# KiCad board reform2-motherboard.kicad_pcb (continued)
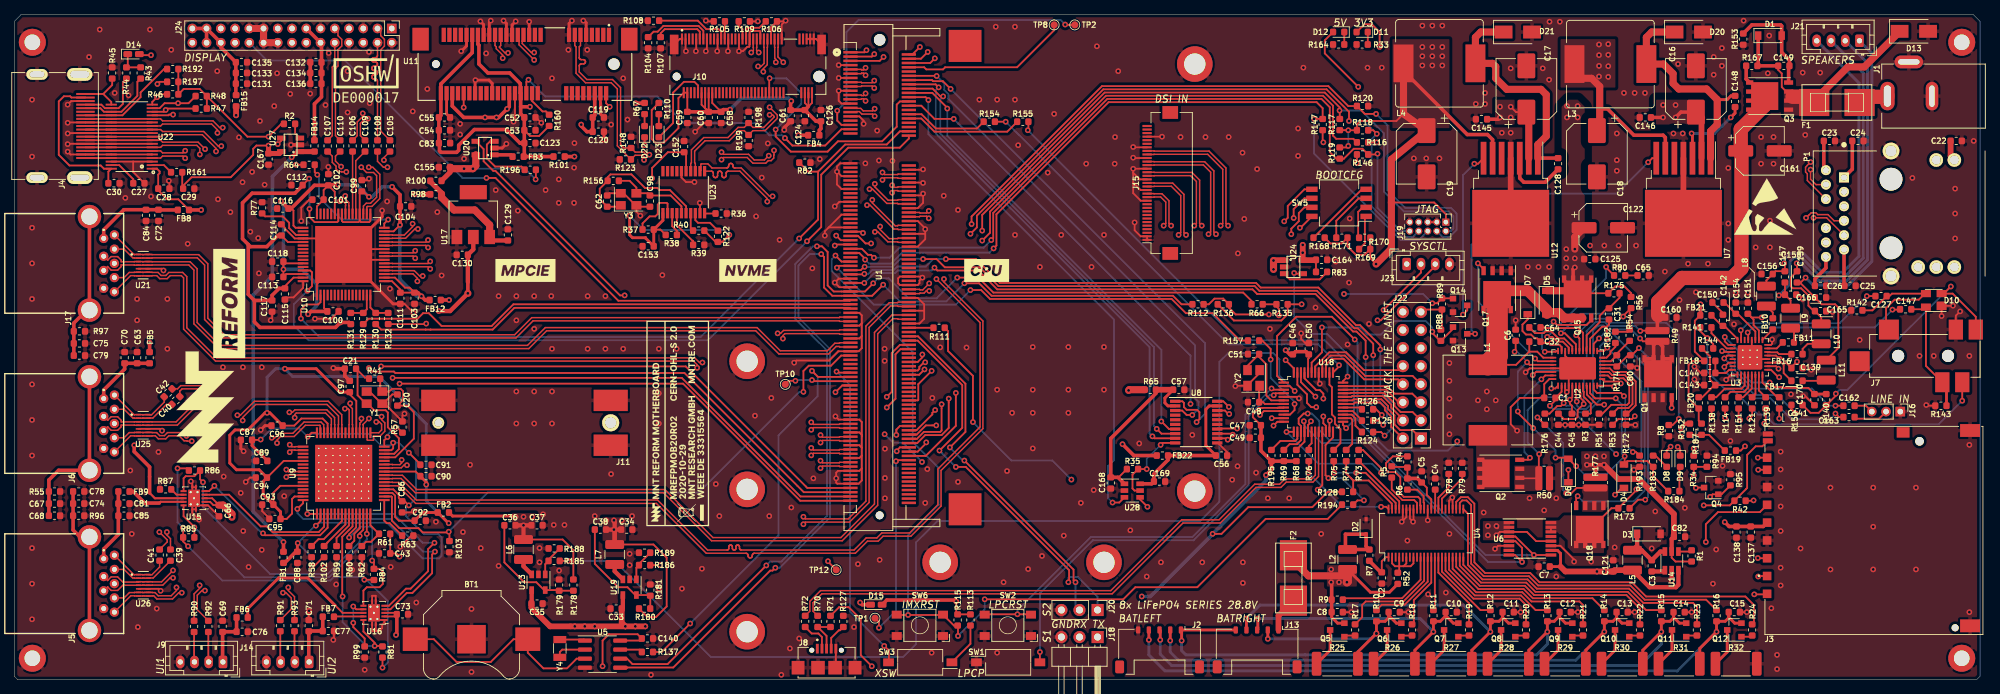
[diagram p0: board, top side]
## Routing (per net, layer and track width the routed paths; a pad name or vN(x,y) marks a point on that pad's centre or on a via; arc(x,y) is an arc through that point) (continued)
USB3_1_EN: length 23.1
  Top w0.25: v1(34.92,20.58) 35.2,20.3 42.94,20.3 44,21.36 U9.4 ; 27.01,26.5 U15.5 27.35,26.5 v1(28.1,27.25)
  Bottom w0.25: v1(34.92,20.58) 34.78,20.58 v1(28.1,27.25)
USB3_1_OVERCURn: length 41.8
  Top w0.25: v1(48.5,20.2) 48.5,20.57 49,21.07 U9.14 ; v1(26.5,27.75) 26.09,28.16 R86.1 25.29,28.6 24.07,28.6 23.77,28.31 U15.6
  Bottom w0.25: v1(26.5,27.75) 26.5,24.29 35.94,14.85 44,14.85 48.5,19.35 v1(48.5,20.2)
USB3_1_SSRXN: length 41.8
  Top w0.2: J6.5 16.34,34.28 16.85,34.28 16.87,34.25 U25.7 17.99,34.25 18.01,34.28 18.19,34.28 18.21,34.25 U25.8 19.33,34.25 19.35,34.28 19.8,34.28 20.23,33.85 21.27,33.85 21.7,34.28 23.14,34.28 23.84,33.57 24.24,33.57 24.28,33.53 v1(24.92,33.53) ; v1(46.42,38.09) 46.85,38.09 47.03,37.91 47.03,35.85 47,35.83 U9.39
  Signal.Cu w0.2: v1(46.42,38.09) 46.42,38.51 45.76,39.17 30.14,39.17 28.42,37.45 28.38,37.4 28.36,37.35 28.34,37.3 28.34,37.24 28.36,37.19 28.38,37.13 28.45,37.05 28.48,36.99 28.49,36.94 28.49,36.88 28.48,36.83 28.45,36.78 28.42,36.73 28.35,36.67 28.31,36.63 28.25,36.61 28.2,36.59 28.14,36.59 28.09,36.61 28.04,36.63 27.95,36.7 27.9,36.73 27.84,36.74 27.78,36.74 27.73,36.73 27.68,36.7 27.63,36.67 24.92,33.95 v1(24.92,33.53)
USB3_1_SSRXP: length 41.2
  Top w0.2: U9.38 47.5,35.83 47.47,35.85 47.47,38.1 47.16,38.41 v1(47.16,38.83) ; J6.6 15.42,34 16.15,34.72 16.85,34.72 16.87,34.75 U25.6 17.99,34.75 18.01,34.72 18.19,34.72 18.21,34.75 U25.9 19.33,34.75 19.35,34.72 19.99,34.72 20.41,34.3 21.09,34.3 21.51,34.72 23.73,34.72 v1(24.18,34.27)
  Signal.Cu w0.2: v1(47.16,38.83) 46.74,38.83 45.95,39.62 29.96,39.62 27.16,36.83 27.12,36.8 27.09,36.78 27.05,36.77 27,36.77 26.96,36.78 26.92,36.8 26.86,36.85 26.82,36.87 26.78,36.88 26.73,36.88 26.69,36.87 26.66,36.85 26.62,36.83 26.47,36.67 26.44,36.64 26.42,36.6 26.41,36.56 26.41,36.51 26.42,36.47 26.44,36.44 26.49,36.37 26.51,36.33 26.52,36.29 26.52,36.25 26.51,36.21 26.49,36.17 26.47,36.13 24.6,34.27 v1(24.18,34.27)
USB3_1_SSTXN: length 34
  Top w0.2: C40.1 23.24,40.55 23.57,40.88 26.69,40.88 v1(26.99,40.58) ; U9.36 48.5,35.83 48.53,35.85 48.53,36.06 48.75,36.29 v1(48.75,36.7)
  Signal.Cu w0.2: v1(26.99,40.58) 27.29,40.88 39.67,40.88 39.74,40.87 39.81,40.85 39.86,40.81 39.91,40.76 39.95,40.71 39.97,40.64 39.97,40.58 39.97,40.43 39.98,40.36 40,40.3 40.04,40.24 40.09,40.19 40.14,40.15 40.21,40.13 40.28,40.13 40.34,40.13 40.41,40.15 40.46,40.19 40.51,40.24 40.55,40.3 40.57,40.36 40.58,40.43 40.58,40.58 40.58,40.64 40.6,40.71 40.64,40.76 40.69,40.81 40.74,40.85 40.81,40.87 40.88,40.88 40.94,40.87 41.01,40.85 41.06,40.81 41.11,40.76 41.15,40.71 41.17,40.64 41.17,40.58 41.17,40.43 41.18,40.36 41.2,40.3 41.24,40.24 41.29,40.19 41.34,40.15 41.41,40.13 41.47,40.13 41.54,40.13 41.61,40.15 41.66,40.19 41.71,40.24 41.75,40.3 41.77,40.36 41.78,40.43 41.78,40.58 41.78,40.64 41.8,40.71 41.84,40.76 41.89,40.81 41.94,40.85 42.01,40.87 42.08,40.88 46.81,40.88 49.05,38.63 49.05,37 v1(48.75,36.7)
USB3_1_SSTXP: length 34
  Top w0.2: C42.1 22.92,40.87 23.38,41.33 26.69,41.33 v1(26.99,41.62) ; v1(49.8,36.7) 48.97,35.88 48.97,35.85 49,35.83 U9.35
  Signal.Cu w0.2: v1(49.8,36.7) 49.5,37 49.5,38.82 46.99,41.33 38.08,41.33 38.02,41.33 37.96,41.35 37.91,41.39 37.86,41.43 37.83,41.48 37.81,41.54 37.8,41.67 37.78,41.72 37.74,41.78 37.7,41.82 37.65,41.85 37.59,41.87 37.53,41.88 37.48,41.88 37.42,41.87 37.36,41.85 37.31,41.82 37.26,41.78 37.23,41.72 37.21,41.67 37.2,41.54 37.18,41.48 37.14,41.43 37.1,41.39 37.05,41.35 36.99,41.33 36.92,41.33 27.29,41.33 v1(26.99,41.62)
USB3_1_VBUS: length 29.3
  Top w0.3: 19,26.25 19.75,25.5 U15.8
  Top w0.5: 19,26.25 19,29.9 16.85,32.05 v1(16.85,32.95) ; FB5.1 v1(19,47.38)
  Power.Cu w0.5: v1(16.85,32.95) 16.85,41.53 19,43.67 v1(19,47.38)
USB3_2_DN: length 63
  Top w0.2: J5.2 13.11,13.95 13.11,13.96 13.6,14.45 14.52,14.45 15.24,13.72 17.41,13.72 U26.3 18.01,13.78 18.04,13.75 18.21,13.75 18.24,13.78 U26.12 19.35,13.78 19.38,13.75 20.68,13.75 v1(22.3,15.37) ; U9.42 45.5,35.83 45.53,35.85 45.53,37.06 43.91,38.67 33.89,38.67 32.07,36.85 v1(32.07,36.43)
  Signal.Cu w0.2: v1(22.3,15.37) 22,15.07 21.13,15.07 19.3,16.89 19.3,26.93 21.2,28.83 21.2,29.83 22.59,31.22 23.23,31.22 23.29,31.22 23.36,31.2 23.41,31.16 23.46,31.11 23.5,31.06 23.52,30.99 23.52,30.92 23.52,30.53 23.53,30.46 23.55,30.4 23.59,30.34 23.64,30.29 23.69,30.26 23.76,30.24 23.83,30.23 23.89,30.24 23.96,30.26 24.01,30.29 24.06,30.34 24.1,30.4 24.12,30.46 24.12,30.53 24.12,30.92 24.13,30.99 24.15,31.06 24.19,31.11 24.24,31.16 24.29,31.2 24.36,31.22 24.42,31.22 24.49,31.22 24.56,31.2 24.61,31.16 24.66,31.11 24.7,31.06 24.72,30.99 24.72,30.92 24.72,30.53 24.73,30.46 24.75,30.4 24.79,30.34 24.84,30.29 24.89,30.26 24.96,30.24 25.03,30.23 25.09,30.24 25.16,30.26 25.21,30.29 25.26,30.34 25.3,30.4 25.32,30.46 25.33,30.53 25.33,30.92 25.33,30.99 25.35,31.06 25.39,31.11 25.44,31.16 25.49,31.2 25.56,31.22 25.62,31.22 26.44,31.22 31.65,36.43 v1(32.07,36.43)
USB3_2_DP: length 63
  Top w0.2: v1(31.33,37.17) 31.75,37.17 33.71,39.12 44.09,39.12 45.97,37.24 45.97,35.85 46,35.83 U9.41 ; J5.3 13.11,13.05 13.11,13.04 13.6,12.55 14.52,12.55 15.24,13.28 U26.4 18.01,13.28 18.04,13.3 18.21,13.3 18.24,13.28 U26.11 19.35,13.28 19.38,13.3 20.87,13.3 21.88,14.32 v1(22.3,14.32)
  Signal.Cu w0.2: v1(22.3,14.32) 22,14.62 20.94,14.62 18.85,16.71 18.85,27.12 20.75,29.02 20.75,30.02 22.41,31.67 26.26,31.67 27.29,32.71 27.33,32.76 27.36,32.82 27.38,32.89 27.38,32.95 27.36,33.02 27.33,33.08 27.29,33.13 27.19,33.23 27.15,33.28 27.12,33.34 27.11,33.41 27.11,33.48 27.12,33.54 27.15,33.6 27.19,33.65 27.25,33.7 27.31,33.73 27.37,33.74 27.44,33.74 27.5,33.73 27.57,33.7 27.62,33.65 27.72,33.56 27.77,33.52 27.83,33.49 27.89,33.47 27.96,33.47 28.03,33.49 28.09,33.52 28.14,33.56 31.33,36.75 v1(31.33,37.17)
USB3_2_EN: length 21.1
  Top w0.25: U15.4 30.15,26 34.6,21.55 35.47,21.55 36.27,20.75 42.75,20.75 43.5,21.5 U9.3
USB3_2_OVERCURn: length 38
  Top w0.25: U9.15 v1(49.5,20.5) ; R85.1 v1(25.29,21.41) 25.29,21.46 23.77,22.97 U15.10
  Bottom w0.25: v1(49.5,20.5) 49.5,19.71 44.19,14.4 32.3,14.4 v1(25.29,21.41)
USB3_2_SSRXN: length 47.7
  Top w0.2: v1(36.9,33.25) 36.9,33.68 37.39,34.17 39.3,34.17 40.88,35.75 42.89,35.75 42.95,35.69 42.95,34.7 U9.47 ; v1(23.52,12.23) 23.1,12.23 22.22,11.35 20.03,11.35 19.58,11.8 19.38,11.8 19.35,11.78 U26.8 18.24,11.78 18.21,11.8 18.04,11.8 18.01,11.78 U26.7 16.9,11.78 16.87,11.8 16.36,11.8 J5.5
  Signal.Cu w0.2: v1(23.52,12.23) 23.52,12.65 26.28,15.42 26.34,15.46 26.4,15.49 26.46,15.5 26.53,15.5 26.6,15.49 26.66,15.46 26.71,15.42 26.73,15.39 26.78,15.35 26.85,15.32 26.91,15.31 26.98,15.31 27.04,15.32 27.1,15.35 27.16,15.39 27.2,15.44 27.23,15.5 27.24,15.57 27.24,15.64 27.23,15.7 27.2,15.76 27.16,15.82 27.13,15.84 27.09,15.89 27.06,15.95 27.05,16.02 27.05,16.09 27.06,16.15 27.09,16.21 27.13,16.26 27.19,16.31 27.25,16.34 27.31,16.35 27.38,16.35 27.44,16.34 27.5,16.31 27.56,16.26 27.58,16.24 27.63,16.2 27.69,16.17 27.76,16.15 27.83,16.15 27.89,16.17 27.95,16.2 28.01,16.24 28.05,16.29 28.08,16.35 28.09,16.42 28.09,16.49 28.08,16.55 28.05,16.61 28.01,16.66 27.98,16.69 27.94,16.74 27.91,16.8 27.9,16.87 27.9,16.93 27.91,17 27.94,17.06 27.98,17.11 28.72,17.86 28.72,25.51 36.47,33.25 v1(36.9,33.25)
USB3_2_SSRXP: length 47.1
  Top w0.2: v1(22.78,12.97) 22.78,12.55 22.03,11.8 20.21,11.8 19.76,12.25 19.38,12.25 19.35,12.28 U26.9 18.24,12.28 18.21,12.25 18.04,12.25 18.01,12.28 U26.6 16.9,12.28 16.87,12.25 16.17,12.25 15.42,11.5 J5.6 ; v1(36.15,34) 36.58,34 37.21,34.62 39.11,34.62 40.69,36.2 43.08,36.2 43.45,35.83 43.45,34.75 U9.46
  Signal.Cu w0.2: v1(22.78,12.97) 23.2,12.97 24.52,14.28 24.56,14.34 24.59,14.4 24.6,14.46 24.6,14.53 24.59,14.6 24.56,14.66 24.52,14.71 24.49,14.74 24.45,14.79 24.42,14.85 24.4,14.92 24.4,14.98 24.42,15.05 24.45,15.11 24.49,15.16 24.54,15.2 24.6,15.23 24.67,15.25 24.73,15.25 24.8,15.23 24.86,15.2 24.91,15.16 24.94,15.13 24.99,15.09 25.05,15.06 25.12,15.05 25.19,15.05 25.25,15.06 25.31,15.09 25.36,15.13 28.28,18.04 28.28,25.69 36.15,33.57 v1(36.15,34)
USB3_2_SSTXN: length 41
  Top w0.2: C39.1 21.94,19.83 21.42,20.34 v1(21.42,20.75) ; U9.44 44.5,35.83 44.53,35.85 44.53,36.66 43.71,37.47 39.59,37.47 39.37,37.25 v1(39.37,36.83)
  Signal.Cu w0.2: v1(21.42,20.75) 21.12,21.05 21.12,25.91 23.89,28.67 26.89,28.67 28.76,30.54 28.81,30.58 28.87,30.61 28.94,30.63 29,30.63 29.07,30.61 29.13,30.58 29.18,30.54 29.35,30.37 29.4,30.33 29.46,30.3 29.53,30.29 29.6,30.29 29.66,30.3 29.72,30.33 29.78,30.37 29.82,30.43 29.85,30.49 29.86,30.55 29.86,30.62 29.85,30.68 29.82,30.74 29.78,30.8 29.61,30.97 29.57,31.02 29.54,31.08 29.52,31.14 29.52,31.21 29.54,31.28 29.57,31.34 29.61,31.39 29.66,31.43 29.72,31.46 29.79,31.48 29.85,31.48 29.92,31.46 29.98,31.43 30.03,31.39 30.2,31.22 30.25,31.18 30.31,31.15 30.38,31.14 30.45,31.14 30.51,31.15 30.57,31.18 30.62,31.22 30.67,31.27 30.7,31.33 30.71,31.4 30.71,31.47 30.7,31.53 30.67,31.59 30.62,31.65 30.46,31.81 30.41,31.87 30.39,31.93 30.37,31.99 30.37,32.06 30.39,32.12 30.41,32.19 30.46,32.24 34.29,36.08 38.19,36.08 38.95,36.83 v1(39.37,36.83)
USB3_2_SSTXP: length 41.2
  Top w0.2: U9.43 45,35.83 44.97,35.85 44.97,36.84 43.89,37.92 39.41,37.92 39.05,37.57 v1(38.63,37.57) ; v1(20.38,20.75) 21.49,19.64 21.49,19.38 C41.1
  Signal.Cu w0.2: v1(38.63,37.57) 38.63,37.15 38.01,36.53 34.11,36.53 28.79,31.21 28.34,30.76 28.32,30.74 28.28,30.72 28.25,30.72 28.21,30.72 28.18,30.72 28.14,30.74 28.09,30.78 28.05,30.8 28.02,30.81 27.98,30.81 27.95,30.8 27.91,30.78 27.89,30.76 27.69,30.57 27.67,30.54 27.65,30.51 27.64,30.47 27.64,30.43 27.65,30.4 27.67,30.37 27.71,30.31 27.73,30.28 27.74,30.24 27.74,30.21 27.73,30.17 27.71,30.14 27.69,30.11 26.71,29.12 23.71,29.12 20.67,26.09 20.67,21.05 v1(20.38,20.75)
USB3_2_VBUS: length 8.3
  Top w0.3: 20.36,24.83 20.54,25 U15.9
  Top w0.5: FB9.1 16.7,26.45 18.32,24.83 20.36,24.83
USB3_3_DN: length 33.5
  Top w0.2: v1(38.67,31.97) 38.97,32.28 39.4,32.28 39.42,32.25 U9.50 ; v1(26.77,12.53) 26.35,12.53 25.7,11.88 25.7,9.84 R92.1
  Signal.Cu w0.2: v1(26.77,12.53) 26.77,12.95 33.92,20.11 33.92,28.01 36.46,30.54 36.51,30.58 36.57,30.61 36.64,30.63 36.71,30.63 36.77,30.61 36.83,30.58 36.88,30.54 36.92,30.5 36.98,30.46 37.04,30.43 37.1,30.42 37.17,30.42 37.24,30.43 37.3,30.46 37.35,30.5 37.39,30.56 37.42,30.62 37.43,30.68 37.43,30.75 37.42,30.81 37.39,30.87 37.35,30.93 37.31,30.97 37.27,31.02 37.24,31.08 37.22,31.15 37.22,31.21 37.24,31.28 37.27,31.34 37.31,31.39 38.19,32.28 38.37,32.28 v1(38.67,31.97)
USB3_3_DP: length 33.2
  Top w0.2: R90.1 25.25,12.07 26.03,12.85 v1(26.03,13.27) ; v1(38.67,33.03) 38.97,32.72 39.4,32.72 39.42,32.75 U9.49
  Signal.Cu w0.2: v1(26.03,13.27) 26.45,13.27 33.47,20.29 33.47,28.19 35.15,29.87 35.17,29.9 35.19,29.93 35.2,29.97 35.2,30.01 35.19,30.05 35.17,30.08 35.13,30.14 35.11,30.17 35.1,30.21 35.1,30.25 35.11,30.29 35.13,30.32 35.15,30.35 35.33,30.53 35.36,30.56 35.4,30.57 35.43,30.58 35.47,30.58 35.51,30.57 35.54,30.56 35.6,30.51 35.64,30.49 35.68,30.49 35.71,30.49 35.75,30.49 35.79,30.51 35.82,30.53 38.01,32.72 38.37,32.72 v1(38.67,33.03)
USB3_3_EN: length 33.4
  Top w0.25: v1(59,19.25) 58.1,18.35 58.1,15.25 55.65,12.8 55,12.8 52.6,10.4 U16.5 ; U9.1 v1(41.15,23.3)
  Bottom w0.25: v1(41.15,23.3) 53.3,23.3 57.35,19.25 v1(59,19.25)
USB3_3_OVERCURn: length 21.9
  Top w0.25: U9.12 48,21.41 47.02,20.43 v1(47.02,19.98) ; v1(50.25,16.75) 50.5,16.5 R84.1 51.31,15.59 51.75,15.15 51.75,13.46 51.29,13 49.5,13 49.03,12.53 U16.6
  Bottom w0.25: v1(47.02,19.98) 48.53,21.5 50.1,21.5 50.25,21.35 v1(50.25,16.75)
USB3_3_VBUS: length 21.3
  Top w0.25: U16.8 46.1,9.4 45.08,10.42
  Top w0.4: FB6.1 32.79,9.99 37.1,14.3 41.2,14.3 45.08,10.42
USB3_4_DN: length 26.7
  Top w0.2: v1(38.47,12.97) 38.47,12.55 39.35,11.67 R93.1 ; U9.57 39.42,28.75 39.4,28.78 38.5,28.78 v1(38.2,28.47)
  Signal.Cu w0.2: v1(38.2,28.47) 37.9,28.78 36.99,28.78 36.33,28.11 36.33,27.47 36.33,27.41 36.35,27.35 36.39,27.29 36.44,27.24 36.49,27.21 36.56,27.19 36.69,27.17 36.75,27.15 36.81,27.11 36.85,27.07 36.89,27.01 36.91,26.95 36.92,26.88 36.92,26.88 36.91,26.81 36.89,26.75 36.85,26.69 36.81,26.64 36.75,26.61 36.69,26.59 36.56,26.57 36.49,26.55 36.44,26.51 36.39,26.47 36.35,26.41 36.33,26.35 36.33,26.28 36.33,14.69 38.05,12.97 v1(38.47,12.97)
USB3_4_DP: length 27.4
  Top w0.2: v1(37.73,12.23) 38.15,12.23 38.9,11.48 38.9,9.94 R91.1 ; U9.56 39.42,29.25 39.4,29.22 38.5,29.22 v1(38.2,29.53)
  Signal.Cu w0.2: v1(37.73,12.23) 37.73,12.65 35.88,14.51 35.88,28.29 36.81,29.22 37.9,29.22 v1(38.2,29.53)
USB3_4_EN: length 35.7
  Top w0.25: v1(39.75,24) 40.55,24.8 U9.64 ; U16.4 52.81,9.9 55.11,12.2 55.9,12.2 58.67,14.97 58.67,17.6 v1(59.07,18)
  Bottom w0.25: v1(59.07,18) 57.42,18 52.85,22.57 40.61,22.57 39.75,23.43 v1(39.75,24)
USB3_4_OVERCURn: length 27.1
  Top w0.25: U9.11 47.5,21.55 46.05,20.1 46.05,11.75 v1(46.1,11.7) ; U16.10 49.03,6.78 50.6,5.2 v1(50.6,4.75) 51.64,4.75 R81.1
  Bottom w0.25: v1(50.6,4.75) 49.43,4.75 46.1,8.08 v1(46.1,11.7)
USB3_4_VBUS: length 4.2
  Top w0.25: U16.9 44.94,8.9 FB7.1
USB_PWR: length 512.4
  Top w0.25: R111.1 131.1,48.99 131.1,46.2 134.6,42.7 v1(134.6,36.2) ; U16.2 53.41,8.9 C73.1 53.51,9.4 U16.3 ; FB8.1 23.04,67.5 21.48,67.5 20.21,68.77 C28.2 20.21,70.97 20.41,71.16 20.41,71.42 20.03,71.8 U22.1 ; R61.2 C43.1 53.65,17.75 v1(54.1,17.3) ; v1(19.2,87.75) 17.71,87.75 D14.2 ; U15.2 27.5,25 27.96,24.54 C66.1 27.79,25.5 U15.3 ; 130.7,49.29 130.59,49.4
  Top w0.5: v1(26.25,66) FB8.1 ; C73.1 53.71,6.41 v1(53.6,6.3) ; v1(234,35.35) 234.64,35.99 R152.1
  Top w0.8: U24.1 176.85,58.95 ; v1(31.15,79.3) FB15.1
  Top w1: C66.1 29.33,24.54 30.56,23.3 v1(30.56,22.84) ; v1(176.8,58.9) v1(176.8,57.65)
  Power.Cu w0.25: v1(54.1,17.3) 54.1,6.8 v1(53.6,6.3)
  Power.Cu w0.5: v1(26.25,66) 19.5,66 15.75,69.75 14.05,69.75 11.5,72.3 6.4,72.3 ; v1(234,35.35) 234.9,36.25 234.9,56.35 224.85,66.4 195,66.4 188.8,60.2 184.35,60.2 182.75,58.6 177.1,58.6 v1(176.8,58.9)
  Power.Cu w0.8: 6.4,72.3 5.1,73.6 5.1,81.7 6.55,83.15 11.15,83.15 15.75,87.75 v1(19.2,87.75) 21.1,85.85 25.6,85.85 31.15,80.3 v1(31.15,79.3)
  Power.Cu w1: 31.4,10.9 42.7,10.9 47.3,6.3 v1(53.6,6.3) 61.05,6.3 62.15,5.2 94.35,5.2 96.25,7.1 96.25,9.1 99.9,12.75 133.05,12.75 v1(148.43,28.12) 176.8,56.5 v1(176.8,57.65) v1(176.8,58.9) ; 31.4,10.9 30.56,11.74 v1(30.56,22.84) ; 31.4,10.9 23.8,10.9 16.5,3.6 8.85,3.6 6.2,6.25 6.2,72.1 6.4,72.3
  Bottom w0.25: v1(148.43,28.12) 145.75,30.8 140,30.8 v1(134.6,36.2)
USB_PWR_EN: length 29.3
  Top w0.25: U18.25 186.56,35.79 v1(187,35.35) ; v1(179.7,57.15) 179.8,57.05 U24.4
  Bottom w0.25: v1(179.7,57.15) 179.7,51 182.13,48.57 184.33,48.57 188.1,44.8 188.1,36.45 v1(187,35.35)
USB_RESETn: length 82.9
  Top w0.25: R103.2 61.1,20.7 v1(61,20.8) 60.9,20.7 57.35,20.7 56.75,21.3 54.07,21.3 53.03,22.34 53.03,25.67 52.95,25.75 U9.18 ; v1(110.8,40.45) 110.8,43.37 111.55,44.13 114.68,44.13 116.1,45.55 U1.131
  Bottom w0.25: v1(110.8,40.45) 110.23,40.45 96.08,26.3 66.5,26.3 v1(61,20.8)
Net-(BT1-Pad1): length 29.8
  Top w0.25: U5.3 78.97,2.97 77.6,1.6 ; BT1.1 58.9,5.7 62.1,2.5 66.9,2.5 70.1,5.7 BT1.1 72.1,3.8 74.3,1.6 77.5,1.6
Net-(C1-Pad1): length 23.1
  Top w0.25: v1(224.75,26) 225.7,26.95 D4.1 ; v1(215.6,38.5) 216.39,39.29 C1.1 217.25,40.46 U2.2
  Power.Cu w0.25: v1(224.9,31.7) 225,31.6 225,26.25 v1(224.75,26)
  Bottom w0.25: v1(224.9,31.7) 218.55,38.05 216.05,38.05 v1(215.6,38.5)
Net-(C1-Pad2): length 22.9
  Top w0.25: U2.38 215.52,42.25 214.81,41.54 C1.2 211.4,39.6 210.1,38.3 210.1,35.9 v1(211,35)
  Top w0.5: Q2.7 207.38,28.36 Q2.5 ; Q2.5 206.1,30.91 Q2.5 ; Q2.5 206.1,27.09 Q2.8 ; Q2.5 207.38,29.64 Q2.6
Net-(C2-Pad1): length 5.2
  Top w0.25: U4.1 192.57,17.22 192,16.65 C2.1
  Top w0.5: C2.1 191.88,15.09 R7.2
Net-(C3-Pad1): length 8.2
  Top w0.6: D3.1 227.85,18.85 L5.1 228.49,18.2 C3.1 231.12,18.01 U14.6
Net-(C3-Pad2): length 1.9
  Top w0.6: U14.1 231.57,15.21 C3.2
Net-(C4-Pad1): length 2.8
  Top w0.25: C4.1 199.5,24.03 U4.31
Net-(C20-Pad1): length 18.9
  Top w0.25: 51.39,42.45 51.39,40.79 ; U9.29 53.49,31.25 56.1,33.86 56.1,37.6 55.19,38.51 C20.1 54.6,39.31 54.6,40.53 54.26,40.87 53.02,40.87 52.64,40.49 Y1.1
Net-(C21-Pad1): length 19.5
  Top w0.25: 49.81,42.45 49.24,42.45 C21.1 48.2,43.49 48.2,39.97 49.39,38.79 Y1.3 49.58,38.79 50.51,37.86 52.14,37.86 52.45,37.55 52.45,35.48 54,33.93 54,32.4 53.35,31.75 U9.30
Net-(C23-Pad1): length 4.2
  Top w0.5: C23.1 254.06,71.89 P1.7
Net-(C24-Pad1): length 5.6
  Top w0.5: C24.1 258.06,71.74 P1.1
Net-(C25-Pad1): length 5.2
  Top w0.5: 256.96,60.36 P1.6 256.9,55.41 C25.1
Net-(C26-Pad1): length 4.7
  Top w0.5: P1.12 254.36,57.86 252.81,56.31 C26.1
Net-(C27-Pad2): length 4.5
  Top w0.25: U22.37 14.74,72.3 16.71,70.33 C27.2
Net-(C30-Pad1): length 22
  Top w0.25: J4.18 8.02,81.8 7.85,81.98 6.98,81.98 6.25,81.25 6.25,73.75 7.75,72.25 12.14,72.25 12.59,71.8 U22.38 13.21,71.39 C30.1
Net-(C31-Pad1): length 26.2
  Top w0.25: 223.6,49.6 v1(223.6,47.8) ; 223.6,49.6 222.93,49.6 221.25,47.92 U2.22 ; 223.6,49.6 223.9,49.9 C31.1 ; v1(217.53,38.87) 217.13,38.47 216.63,38.47 215.56,37.39 R176.2
  Bottom w0.25: v1(217.53,38.87) 217.9,38.5 218.74,38.5 219.66,37.57 220.89,37.57 222.67,39.36 222.67,46.87 v1(223.6,47.8)
Net-(C31-Pad2): length 9.9
  Top w0.25: U2.23 220.75,46.72 220.77,46.74 220.77,48.42 222.6,50.25 222.6,51.15 223.6,52.15 223.6,52.19 ; C31.2 225.39,53.67 R175.2
Net-(C32-Pad1): length 30.2
  Top w0.25: D7.1 212.5,50.65 211.75,49.9 211.75,49 212.25,48.5 212.96,48.5 213.49,47.96 213.83,47.96 C32.1 214.48,47.31 v1(215.78,47.31) 216.04,47.05 216.95,47.05 217.25,46.75 U2.30 ; D6.1 v1(218.2,29.5)
  Power.Cu w0.25: v1(218.2,29.5) 218.2,33 216.62,34.58 216.62,44.53 216.18,44.97 216.18,46.91 v1(215.78,47.31)
Net-(C32-Pad2): length 42
  Top w0.25: 219.06,50.83 218.87,51.03 ; C32.2 212.71,46.11 212.7,46.1 ; U2.32 214.68,45.25 213.83,46.1 212.7,46.1 ; Q17.5 206.29,52.21 208.19,54.11 Q17.5 208.21,54.11 210.1,52.21 Q17.8 ; 212.7,46.1 210.85,44.25 L1.2
  Top w1: 215.2,51.35 215.05,51.35
  Top w1.2: Q15.1 Q15.2 Q15.3
  Top w1.3: Q15.1 216.85,51.58 215.43,51.58 215.2,51.35
  Top w1.5: Q17.5 208.74,54.65 D7.2 215.2,51.95
  Top w3: Q17.5 208.2,45.55 L1.2
Net-(C36-Pad2): length 16.5
  Top w0.25: C36.2 68.81,16.49 71.6,13.7 73.3,13.7 74.4,12.6 U13.5 76.41,12.6 R179.1 R178.2
Net-(C38-Pad2): length 16.3
  Top w0.25: R180.2 89.3,10.01 R181.1 89.21,11.9 U19.5 87.2,11.9 86.1,13 84.8,13 81.51,16.29 C38.2
Net-(C45-Pad2): length 24
  Top w0.25: Q2.2 211.44,28.3 R50.1 214.05,31.65 v1(214.1,31.7) ; U2.5 218.75,39.69 v1(218.41,39.35) 218.41,38.79 218.7,38.49 C45.2
  Bottom w0.25: v1(214.1,31.7) 212.47,33.33 212.47,37.87 214.3,39.7 218.06,39.7 v1(218.41,39.35)
Net-(C48-Pad1): length 5.9
  Top w0.25: Y2.1 174.79,41.24 C48.1 175.32,39 175.57,38.75 U18.7
Net-(C51-Pad1): length 12
  Top w0.25: U18.6 178.24,39.25 176.48,39.25 175.8,39.93 175.8,44.33 174.79,45.34 C51.1 173.15,44.11 Y2.3 173.15,43.4
Net-(C63-Pad1): length 9.7
  Top w0.5: J6.1 12.56,40.71 15.5,43.65 C70.1 C63.1 FB5.2
Net-(C64-Pad1): length 8.9
  Top w0.25: 220.29,46.22 U2.24 220.25,48.75 219.6,49.4 214.92,49.4 214.82,49.5 C64.1
Net-(C64-Pad2): length 8
  Top w0.25: C64.2 213.51,48.7 214.73,48.7 214.97,48.94 215.81,48.94 216.8,47.95 217.6,47.95 218.75,46.81 U2.27 218.71,46.22
Net-(C65-Pad2): length 1.7
  Top w0.25: R80.1 C65.2
Net-(C67-Pad1): length 24.4
  Top w0.5: C68.1 C67.1 R55.1 4.86,28.06 6.23,29.43 J6.10 J6.10
Net-(C69-Pad1): length 8.2
  Top w0.5: 29.29,6.75 C76.1 FB6.2 ; C69.1 29.25,2.55 J9.1
Net-(C71-Pad1): length 8.3
  Top w0.5: FB7.2 C77.1 41.39,6.85 C71.1 41.35,2.55 J14.1
Net-(C72-Pad1): length 12.8
  Top w0.5: J17.1 12.56,63.21 15.39,66.04 C84.1 C72.1 20.29,66 FB8.2
Net-(C74-Pad1): length 21.3
  Top w0.5: J5.10 J5.10 9.23,20.07 8.26,21.04 R96.1 C74.1 C78.1
Net-(C75-Pad1): length 20.7
  Top w0.5: J17.10 J17.10 10.18,51.93 8.36,50.11 R97.1 C75.1 C79.1
Net-(C80-Pad2): length 31
  Top w0.25: v1(228.1,46.6) 227.09,45.59 C80.2 226.57,45.59 R174.2 224.76,44.25 U2.17 ; v1(229,25.3) 227.99,25.3 R173.1
  Bottom w0.25: v1(228.1,46.6) 229.37,45.33 229.37,25.67 v1(229,25.3)
Net-(C81-Pad1): length 10.3
  Top w0.5: J5.1 12.56,18.36 14.61,20.41 C85.1 C81.1 FB9.2
Net-(C86-Pad1): length 93.8
  Top w0.25: v1(42.35,21.65) 43,22.3 U9.2 ; U9.48 41.75,34.7 v1(41.2,34.15) ; U9.31 52.95,32.25 53.2,32.5 v1(53.2,33.3) ; C91.1 57.01,30.29 v1(55.4,31.9) ; R102.1 43.36,17.21 42.05,15.9 v1(41.75,15.9) ; C87.1 34.55,33.7 ; U9.20 53.22,26.75 53.99,25.98 53.99,25.55 C86.1 54.81,25.09 v1(55.4,24.5)
  Top w0.4: C87.1 33.39,32.9 C89.1 ; 39.75,18.04 39.75,19.15 v1(39.8,19.2) ; 34.55,33.7 v1(34.6,33.75)
  Top w0.5: C88.1 39.54,17.99 37.96,16.41 FB1.2
  Power.Cu w0.25: 39.8,19.3 v1(39.8,19.2)
  Bottom w0.25: v1(34.6,33.75) 36.15,35.3 40.05,35.3 v1(41.2,34.15) 41.6,34.55 49.85,34.55 51.5,32.9 52.8,32.9 v1(53.2,33.3) 54,33.3 v1(55.4,31.9) 56.4,30.9 56.4,25.5 v1(55.4,24.5) 55,24.1 55,23 57.55,20.45 59.55,20.45 60,20 60,17.4 59.65,17.05 57.35,17.05 52.35,22.05 42.75,22.05 v1(42.35,21.65) 42.25,21.65 v1(39.8,19.2) 41.75,17.25 v1(41.75,15.9)
Net-(C90-Pad1): length 138.3
  Top w0.25: C90.1 56.36,29.25 U9.25 ; U9.45 44,36 43.3,36.7 40.32,36.7 39.32,35.7 C96.1 ; U9.53 37.84,30.75 C94.1 ; U9.37 48.02,34.72 48.02,39.18 47.1,40.1 C97.1 ; C93.1 36.39,26.29 37.35,27.25 U9.60 ; U9.63 39.35,25.75 39,25.4 39,23.35 38.25,22.6 C95.1 37.39,23.59 ; U9.19 53.09,26.25 53.48,25.86 53.48,22.87 54,22.35 C92.1
  Top w0.4: 35.47,25.52 C93.1 ; 35.47,25.52 37.39,23.6 C95.1 ; 35.47,25.52 34.95,26.04 34.95,27.86 C94.1 34.39,29.5 31.2,29.5 30.26,30.44 30.26,34.36 31,35.1 32.8,35.1 35.2,37.5 v1(35.5,37.5) 35.89,37.5 C96.1 ; C92.1 57.36,23.5 FB2.2 60.96,22 v1(61,22) ; C97.1 45.69,40.41 42.4,43.7 v1(38,43.7) ; C90.1 57.85,27.76 v1(57.85,27.42)
  Bottom w0.4: v1(61,22) 57.85,25.15 v1(57.85,27.42) 57.85,35.95 51.2,42.6 39.1,42.6 v1(38,43.7) 36.7,43.7 35.5,42.5 v1(35.5,37.5)
Net-(C100-Pad1): length 110.3
  Top w0.25: v1(49.8,67.85) 49.04,68.61 C99.1 48.5,68.31 U10.36 48.5,64.46 ; U10.18 53.45,56.5 54.86,55.09 55.5,55.09 C103.1 C111.1 54.2,54.83 53.03,56 U10.17 ; U10.3 43.5,52.21 C100.1 ; U10.49 39.5,63.5 39.2,63.8 39.2,65.92 38.92,66.2 C116.1 ; 48.5,64.46 48.66,64.3 49.84,64.3 50,64.46 U10.33 ; 48.5,64.46 48.34,64.3 46.16,64.3 46,64.46 U10.41 ; v1(54.16,63.9) 53.26,63 U10.31 ; U10.59 38.04,58.5 C118.1 37.79,57.61 37.8,57.6 37.79,57.59 C113.1 38.19,57 U10.62 ; 54.16,67.2 54.2,67.16 ; U10.48 42.5,66.51 C101.1 43.44,68.8 C102.1 45,68.56 U10.43
  Top w0.5: v1(41.25,51.35) 41.65,51.75 C100.1 ; FB12.2 57.7,53.35 v1(57.17,53.88) 56.66,54.39 C103.1 ; v1(37.45,67.25) 37.45,67.24 C116.1 38.88,66.2 42.14,69.46 C102.1 44.19,69.55 v1(45.45,69.55) ; v1(54.16,63.9) 54.16,68.14 v1(53.05,69.25)
  Bottom w0.5: v1(45.45,69.55) 48.1,69.55 v1(49.8,67.85) 50.25,67.85 51.65,69.25 v1(53.05,69.25) ; v1(57.17,53.88) 56.52,53.88 54.15,56.25 54.15,63.89 v1(54.16,63.9) ; v1(41.25,51.35) 42.45,52.55 42.45,55.6 40.4,57.65 v1(37.8,57.65) 37.8,66.9 v1(37.45,67.25)
Net-(C123-Pad1): length 82.6
  Top w0.25: U11.2 83.1,81 v1(83.6,80.5) ; C53.1 72.41,76.4 73.69,76.4 R160.1
  Top w0.5: C123.1 71,75.4 69.1,77.3 64.6,77.3 62.4,75.1 62.4,74.39 62.11,74.1 59.9,74.1 59.7,74.3 59.7,75.33 C83.1 59.61,75.41 C54.1 C55.1 59.9,79.29 U11.52 59.9,83.71 64.3,88.11 U11.41 ; C123.1 71.61,73.6 ; C123.1 C53.1 C52.1 71.1,79.51 71.1,80.5 ; U11.39 65.1,89.29 65.24,89.15 65.24,86.51 66.5,85.25 69.56,85.25 71.05,83.76 71.05,82.45 U11.24 71.1,80.5 ; 71.1,80.5 v1(72.4,80.5) ; v1(87.25,81) 88.46,81 R67.1 ; FB3.2 R101.2
  Power.Cu w0.5: v1(72.4,80.5) v1(83.6,80.5) 86.75,80.5 v1(87.25,81)
Net-(C124-Pad1): length 61.8
  Top w0.25: R110.1 89.5,80.04 89.5,75.97 90.02,75.45 91.2,75.45 93.25,77.5 93.25,81.72 J10.2 J10.4 C59.1 ; C60.1 96.5,80.79 J10.12 ; C60.1 J10.16 ; C60.1 97,80.29 J10.14 ; C58.1 98,81.04 J10.18 ; J10.70 111,81.04 111.5,80.54 ; J10.74 112,81.04 111.5,80.54 ; J10.72 111.5,80.54
  Top w0.5: C124.1 C61.1 109,81.2 v1(109.1,81.3) ; C124.1 111.5,80.54 ; C124.1 112.57,78.46 C126.1 113.25,77.42 113.04,77.21 FB4.2 ; C59.1 C60.1 C58.1 ; 99.5,80.04 C58.1 ; C58.1 99.56,80.1 v1(100.5,80.1)
  Bottom w0.5: v1(109.1,81.3) 108.7,81.7 102.1,81.7 v1(100.5,80.1)
Net-(C127-Pad1): length 19.2
  Top w0.25: R142.1 260.89,51.9 C127.1 ; 263.29,53.9 263.64,54.25 D10.3 268.25,54.25 267.4,53.4 264,53.4 262.8,52.2 262.8,49.6 J7.2 263.29,49.29
Net-(C127-Pad2): length 22.3
  Top w0.25: v1(242.4,49.1) 242.45,49.05 U3.31 ; v1(260.1,53.9) C127.2
  Bottom w0.25: v1(242.4,49.1) 243.4,50.1 256.3,50.1 v1(260.1,53.9)
Net-(C128-Pad1): length 32.9
  Top w0.5: C128.1 213.92,73.29 U12.1
  Top w1: D21.1 205.9,91 205.15,90.25 L4.1 207.55,86.6 208,86.15 208,84.5 209.55,82.95 214.35,82.95 215.1,82.2 215.1,76.37 213.91,75.17 U12.1
Net-(C128-Pad2): length 9.2
  Top w0.5: C128.2 214.94,69.9 211.94,69.9 211.37,70.47 U12.3 211.35,73.3
Net-(C129-Pad1): length 15.8
  Top w0.6: U17.3 67.24,61.71 C129.1
  Top w0.7: R100.1 58.41,69.99 59.99,68.41 R98.1
  Top w1: R98.1 59.99,67.76 61.75,66 64.65,66 66.75,63.9 U17.3
Net-(C137-Pad1): length 163.7
  Top w0.25: R42.1 244.15,25.15 v1(244.2,25.2)
  Top w0.4: C56.1 167.3,32.91 167.3,38 167.78,38.47 U8.19